# Altium PCB Gimbal.PcbDoc
Units mm, origin at the board's own origin, x right, y up, seen from the top; angles counter-clockwise.
Board outline 30 x 55 mm, 2 copper layers (Top Layer, Bottom Layer); 13 components, 9 nets, 54 pads, 29 vias.
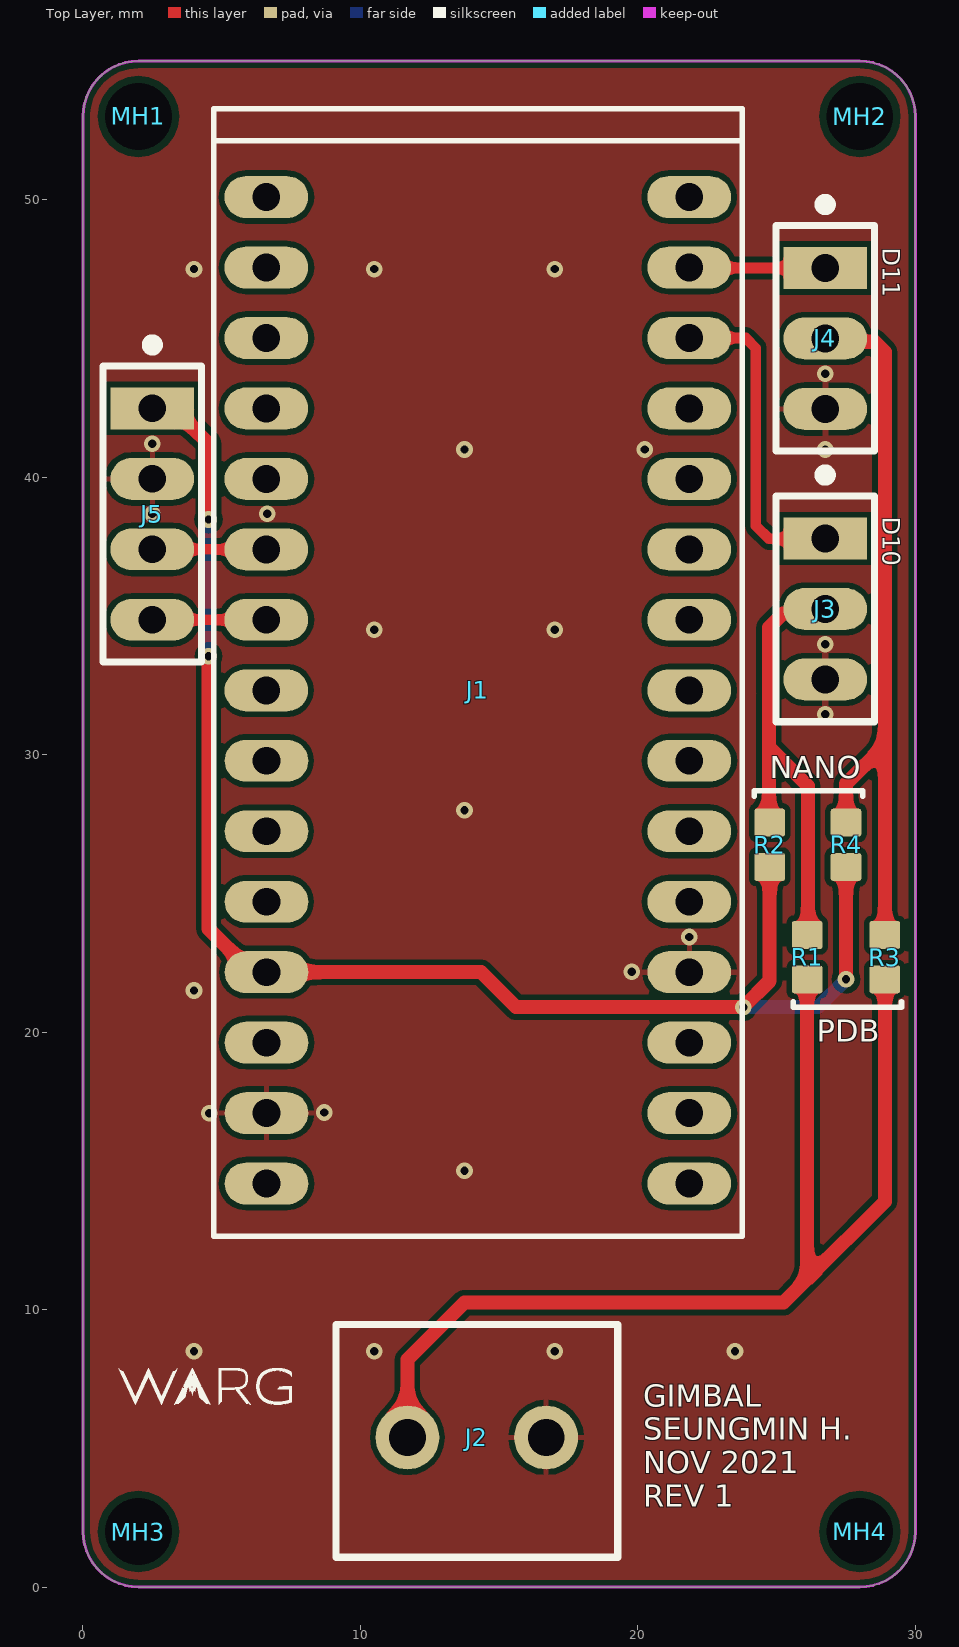
[diagram p0: Top Layer view]
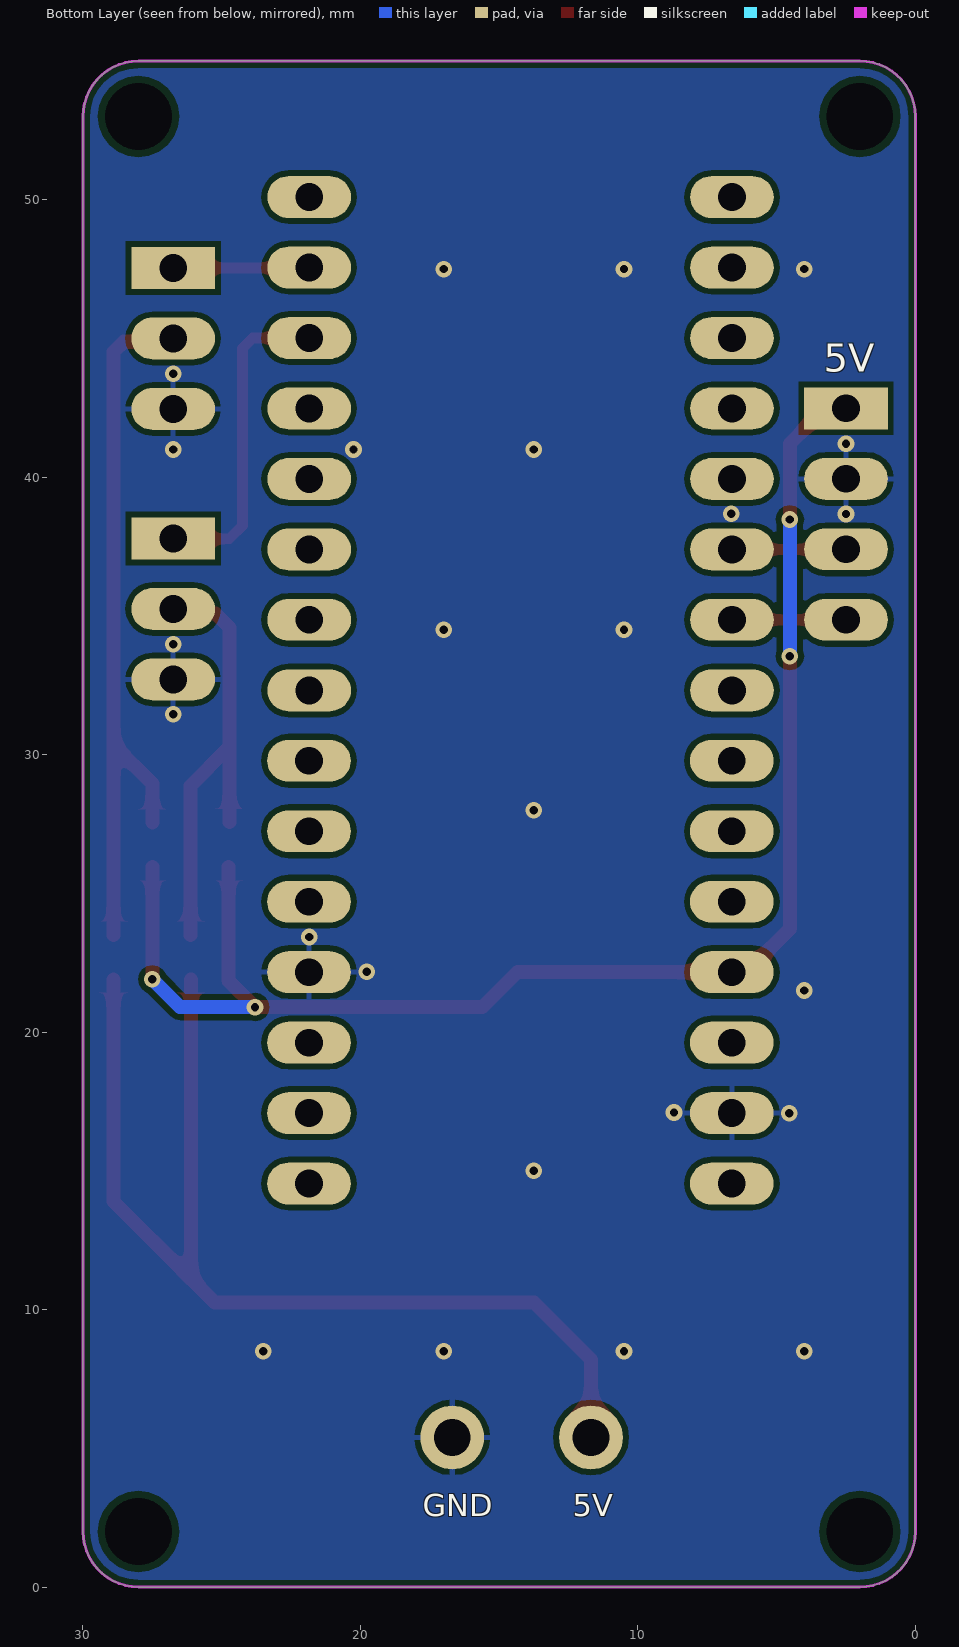
[diagram p1: Bottom Layer view, seen from below]

## Layer stack, top to bottom
Top Solder: solder mask 0.0102, Solder Resist, Dk 3.5
Top Layer: signal copper 0.0356
Dielectric 1: dielectric 0.32, FR-4, Dk 4.8
Bottom Layer: signal copper 0.0356
Bottom Solder: solder mask 0.0102, Solder Resist, Dk 3.5

## Board outline
0,2 ccw(c2,2) 2,0 28,0 ccw(c28,2) 30,2 30,53 ccw(c28,53) 28,55 2,55 ccw(c2,53) 0,53

## Design rules (kind name [scope] priority, off if disabled: settings)
BoardOutlineClearance [All] p1: gap=0.2 ignorepadtopadclearanceinfootprint=FALSE
Clearance [All] p1: gap=0.203 ignorepadtopadclearanceinfootprint=FALSE except(0.25: Arc-Hole Track-Hole SMDPad-Hole THPad-Hole Via-Hole Fill-Hole Poly-Hole Region-Hole Text-Hole)
ComponentClearance [All] p1: gap=0.127 collisioncheckmode=3 verticalgap=0.127 showdistances=TRUE
DiffPairsRouting [All] p1: maxlimit=0.381 minlimit=0.203 mostfreqgap=0.203 toplayer_minwidth=0.203 toplayer_maxwidth=25.4 toplayer_prefwidth=0.203 bottomlayer_minwidth=0.203 bottomlayer_maxwidth=25.4 bottomlayer_prefwidth=0.203 maxuncoupledlength=12.7
Height [All] p1: minheight=0 maxheight=1816.048 prefheight=12.7
HoleSize [All] p1: absolutevalues=TRUE maxlimit=6.3 minlimit=0.3 maxpercent=80.000 minpercent=20.000
HoleToHoleClearance [All] p1: gap=0.25 allowstackedmicrovias=FALSE
MinimumAnnularRing [All] p1: minimumring=0.076
MinimumSolderMaskSliver [All] p1: minsoldermaskwidth=0
PlaneClearance [All] p1: clearance=0.203
PlaneConnect PlaneConnectPowerPads [InPadClass('PowerPads')] p1: planeconnectstyle=Direct reliefexpansion=0.508 reliefentries=4 reliefconductorwidth=0.254 reliefairgap=0.254
PlaneConnect [All] p2: pad.planeconnectstyle=Relief pad.reliefexpansion=0.3 pad.reliefentries=4 pad.reliefconductorwidth=0.203 pad.reliefairgap=0.203 via.planeconnectstyle=Direct via.reliefexpansion=0.3 via.reliefentries=4 via.reliefconductorwidth=0.127 via.reliefairgap=0.127
PolygonConnect PolygonConnectPowerPads [All vs (InPadClass('PowerPads'))] p1: connectstyle=Direct reliefconductorwidth=0.254 reliefentries=4 polygonreliefangle="90 Angle" airgapwidth=0.254
PolygonConnect [All] p2: thpad.connectstyle=Relief thpad.reliefconductorwidth=0.203 thpad.reliefentries=4 thpad.polygonreliefangle="90 Angle" thpad.airgapwidth=0.203 smdpad.connectstyle=Relief smdpad.reliefconductorwidth=0.203 smdpad.reliefentries=4 smdpad.polygonreliefangle="90 Angle" smdpad.airgapwidth=0.203 via.connectstyle=Direct via.reliefconductorwidth=0.127 via.reliefentries=4 via.polygonreliefangle="90 Angle" via.airgapwidth=0.127
RoutingVias [All] p1: holewidth=0.3 width=0.6 viastyle="Through Hole" minholewidth=0.3 minwidth=0.6 maxholewidth=0.6 maxwidth=6.6
SilkToSilkClearance [All] p1: silktosilkclearance=0
SilkToSolderMaskClearance [IsPad] p1: minsilkscreentomaskgap=0.127 clearancetoexposedcopper=TRUE
SolderMaskExpansion [All] p1: expansion=0.075 istentingtop=FALSE
Width [All] p1: maxlimit=25.4 minlimit=0.203 preferedwidth=0.203 minimp=50.000000 maximp=50.000000 favimp=50.000000
20 further rules are at their usual default settings.

## Components (designator, comment, footprint, x,y, rotation, side; value= is the part's Value field where it differs from the comment)
J1 "CON_2HDR_ARDUINO_NANO" ARDUINO_NANO_CONNECTOR 21.854,14.54 r90 top locked
J2 "CON_2POS_SCREW_TERM" 1935161 14.193,5.39 r0 top
J3 "CON_3X1_2.54MM_FEMALE_TH_HDR" PPPC031LFBN-RC 26.75,37.79 r270 top
J4 "CON_3X1_2.54MM_FEMALE_TH_HDR" PPPC031LFBN-RC 26.75,47.54 r270 top
J5 "CON_4X1_2.54MM_FEMALE_TH_HDR" PPPC041LFBN-RC 2.5,42.48 r270 top
MH1 "Mounting Hole Non-plated Diameter 2.40mm" MHNP_2.40MM 2,53 r90 top
MH2 "Mounting Hole Non-plated Diameter 2.40mm" MHNP_2.40MM 28,53 r90 top
MH3 "Mounting Hole Non-plated Diameter 2.40mm" MHNP_2.40MM 2,2 r90 top
MH4 "Mounting Hole Non-plated Diameter 2.40mm" MHNP_2.40MM 28,2 r90 top
R1 "0Ω" RES0603 26.1,22.7 r270 top
R2 "0Ω" RES0603 24.75,26.75 r270 top
R3 "0Ω" RES0603 28.9,22.7 r270 top
R4 "0Ω" RES0603 27.5,26.75 r270 top

## Footprints (in the part's own frame and the unit in brackets; to place one, negate y for a bottom-side part, rotate by r counter-clockwise, add the part's x,y. Pads: shape width x height; smd on the part's side, far side on the other; paste and mask are expansions set on the pad)
1935161 [mm] "TERM BLK 2POS SIDE ENTRY 5MM PCB"
  round 2.3 hole 1.325: 1(-2.5,0) 2(2.5,0)
  silkscreen extent -5.08,-4.32 5.08,4.06, body extent -5.07,-4.94 5.33,4.06, height 11.41
ARDUINO_NANO_CONNECTOR [mm] "2x15 pin headers"
  oval 1.508x3.016 hole 1: 1(0,0) 2(2.54,0) 3(5.08,0) 4(7.62,0) 5(10.16,0) 6(12.7,0) 7(15.24,0) 8(17.775,0.005) 9(20.319,0.005) 10(22.855,0.005) 11(25.395,0.005) 12(27.935,0.005) 13(30.475,0.005) 14(33.015,0.005) 15(35.555,0.005) 16(35.555,15.245) 17(33.015,15.245) 18(30.475,15.245) 19(27.935,15.245) 20(25.395,15.245) 21(22.855,15.245) 22(20.319,15.245) 23(17.775,15.245) 24(15.24,15.24) 25(12.7,15.24) 26(10.16,15.24) 27(7.62,15.24) 28(5.08,15.24) 29(2.54,15.24) 30(0,15.24)
  body extent -3.82,-1.65 41.01,16.89, height 20.88
MHNP_2.40MM [mm] "Mounting Hole Non-plated Diameter 2.40mm"
  round 0 hole 2.4: 1(0,0)
PPPC031LFBN-RC [mm] "3 Pin Female Header"
  rect 1.508x3.016 hole 1: 1(0,0)
  oval 1.508x3.016 hole 1: 2(2.54,0) 3(5.08,0)
  silkscreen extent -2.41,-1.78 6.6,1.78, body extent -1.52,-1.27 6.6,1.27, height 8.53
PPPC041LFBN-RC [mm] "4 Pin Female Header"
  rect 1.508x3.016 hole 1: 1(0,0)
  oval 1.508x3.016 hole 1: 2(2.54,0) 3(5.08,0) 4(7.62,0)
  silkscreen extent -2.41,-1.78 9.14,1.78, body extent -1.52,-1.27 9.14,1.27, height 8.53
RES0603 [mm] "SMT Resistor 0603"
  rrect15% 1x1.1 smd: 1(-0.8,0) 2(0.8,0)
  body extent -0.8,-0.4 0.8,0.4, height 0.46

## Part data
J1: "Arduino Nano mounted on 2x HDR FEMALE 1x15 2.54mm", Manufacturer 1="Sullins Connector Solutions", Manufacturer Part Number 1=PPTC151LFBN-RC, Supplier Part Number 1=S7013-ND, Pitch=2.54mm, Supplier 1=Digi-Key
J2: "TERM BLK 2POS SIDE ENTRY 5MM", Manufacturer 1="Phoenix Contact", Manufacturer Part Number 1=1935161, Package=SMD, Supplier Part Number 1=277-1667-ND, Mounting Type=TH, Supplier 1=Digi-Key
J3 J4: library part CON_3X1_2.54MM_FEMALE_VERT_TH_HDR, "CONN HEADER 3X1 2.54MM FEMALE VERT TH", Manufacturer 1="Sullins Connector Solutions", Manufacturer Part Number 1=PPPC031LFBN-RC, Supplier Part Number 1=S7036-ND, Pitch=2.54mm, Supplier 1=Digi-Key
J5: "CONN HEADER 4X1 2.54MM FEMALE VERT TH", Manufacturer 1="Sullins Connector Solutions", Manufacturer Part Number 1=PPPC041LFBN-RC, Supplier Part Number 1=S7037-ND, Pitch=2.54mm, Supplier 1=Digi-Key
MH1 MH2 MH3 MH4: library part MHNP_2.4MM, Diameter=2.40mm
R1 R2 R3 R4: library part .RES_0603, "GENERIC 0603 RES"

## Via types
v1: diameter 0.6, hole 0.3, Top Layer to Bottom Layer, tented both sides, 29 vias

## Nets (pads, with @x,y where several pads share a name; then routed paths per layer and width w, separated by ;. In a path a pad name is that pad's centre, name@x,y a point inside that pad or via, vN(x,y) a via of type N, cw(c..) or ccw(c..) an arc to the next point about the centre after c; other vN are vias at no path point)
5V_NANO: J1.27 J5.1 R2.2 R4.2 | length 54.1
  Top Layer w0.508: J5.1 3.254,42.48 4.525,41.209 v1(4.525,38.475) ; v1(4.525,33.55) 4.525,23.725 6.09,22.16 J1.27 14.34,22.16 15.6,20.9 v1(23.8,20.9) 24.75,21.85 R2.2 ; v1(27.5,21.9) R4.2
  Bottom Layer w0.508: v1@4.518,33.557 4.525,33.565 v1(4.525,38.475) ; v1(23.8,20.9) 26.5,20.9 v1(27.5,21.9)
5V_PDB: J2.1 R1.2 R3.2 | length 41.2
  Top Layer w0.508: J2.1 11.693,8.193 13.75,10.25 25.25,10.25 26.1,11.1 ; R1.2 26.1,11.1 ; R3.2 28.9,13.9 26.1,11.1
GND: J1.4 J1.29 J2.2 J3.3 J4.3 J5.2
  other v1: 4,8.5 10.5,8.5 17,8.5 23.5,8.5 13.75,15 4.55,17.075 8.7,17.1 4,21.5 19.775,22.175 21.85,23.425 13.75,28 26.75,31.45 26.75,33.975 10.5,34.5 17,34.5 2.5,38.675 6.64,38.677 13.75,41 20.25,41 26.75,41 2.5,41.2 26.75,43.725 4,47.5 10.5,47.5 17,47.5
NetJ3_2: J3.2 R1.1 R2.1 | length 17
  Top Layer w0.508: R2.1@24.721,27.579 24.721,32.182 ; 24.721,32.246 24.721,34.58 25.224,35.083 27.06,35.083 J3.2@27.212,35.235 ; 24.785,30.215 26.125,28.875 R1.1@26.125,23.5
NetJ4_2: J4.2 R3.1 R4.1 | length 26.3
  Top Layer w0.508: J4.2@27.212,45.014 27.345,44.881 28.528,44.881 28.9,44.509 28.9,30.35 ; R4.1 27.5,28.95 28.9,30.35 ; R3.1 28.9,30.35
SCL: J1.21 J5.3 | length 5
  Top Layer w0.381: J5.3 2.502,37.398 6.607,37.398 J1.21 J1.21@5.766,37.395
SDA: J1.22 J5.4 | length 5
  Top Layer w0.381: J5.4@2.501,34.859 J1.22
  Bottom Layer w0.5: J1.22@5.763,34.859 J1.22
SERVO1: J1.13 J3.1 | length 12.1
  Top Layer w0.381: J1.13 23.885,45.015 24.25,44.65 24.25,38.25 24.725,37.775 J3.1@27.212,37.775
SERVO2: J1.14 J4.1 | length 4.9
  Top Layer w0.381: J1.14@21.865,47.54 J4.1
pads on no net: J1.1 J1.2 J1.3 J1.5 J1.6 J1.7 J1.8 J1.9 J1.10 J1.11 J1.12 J1.15 J1.16 J1.17 J1.18 J1.19 J1.20 J1.23 J1.24 J1.25 J1.26 J1.28 J1.30 MH1.1 MH2.1 MH3.1 MH4.1

## Polygon pours and split planes (outlines as drawn)
GND on Top Layer "GND_L01_P000" (solid, pour order 0): 0,0 30,0 30,55 0,55
GND on Bottom Layer "GND_L02_P001" (solid, pour order 1): 0,0 30,0 30,55 0,55

## Keep-outs
Keep-Out Layer:
  the board outline again, w0.1

## Silkscreen, mask and mechanical layers (free items; w line width, h text height)
Top Overlay:
  drawing of 25 lines, arcs and shapes, not listed
  text "D11" at 28.827,48.273 h0.64 r270
  text "D10" at 28.827,38.573 h0.64 r270
  text "NANO" at 24.75,29.15 h0.8
  text "PDB" at 26.45,19.65 h0.8
  text "GIMBAL / SEUNGMIN H. / NOV 2021 / REV 1" at 20.2,2.9 h0.8
Bottom Overlay:
  text "5V" at 3.297,43.803 h1.02
  text "5V" at 12.35,2.55 h0.8
  text "GND" at 17.75,2.55 h0.8